# EAGLE board Mk4 Final a Panel score 2x5 (EAGLE 9.0.1), part 13 of 29 (continued)
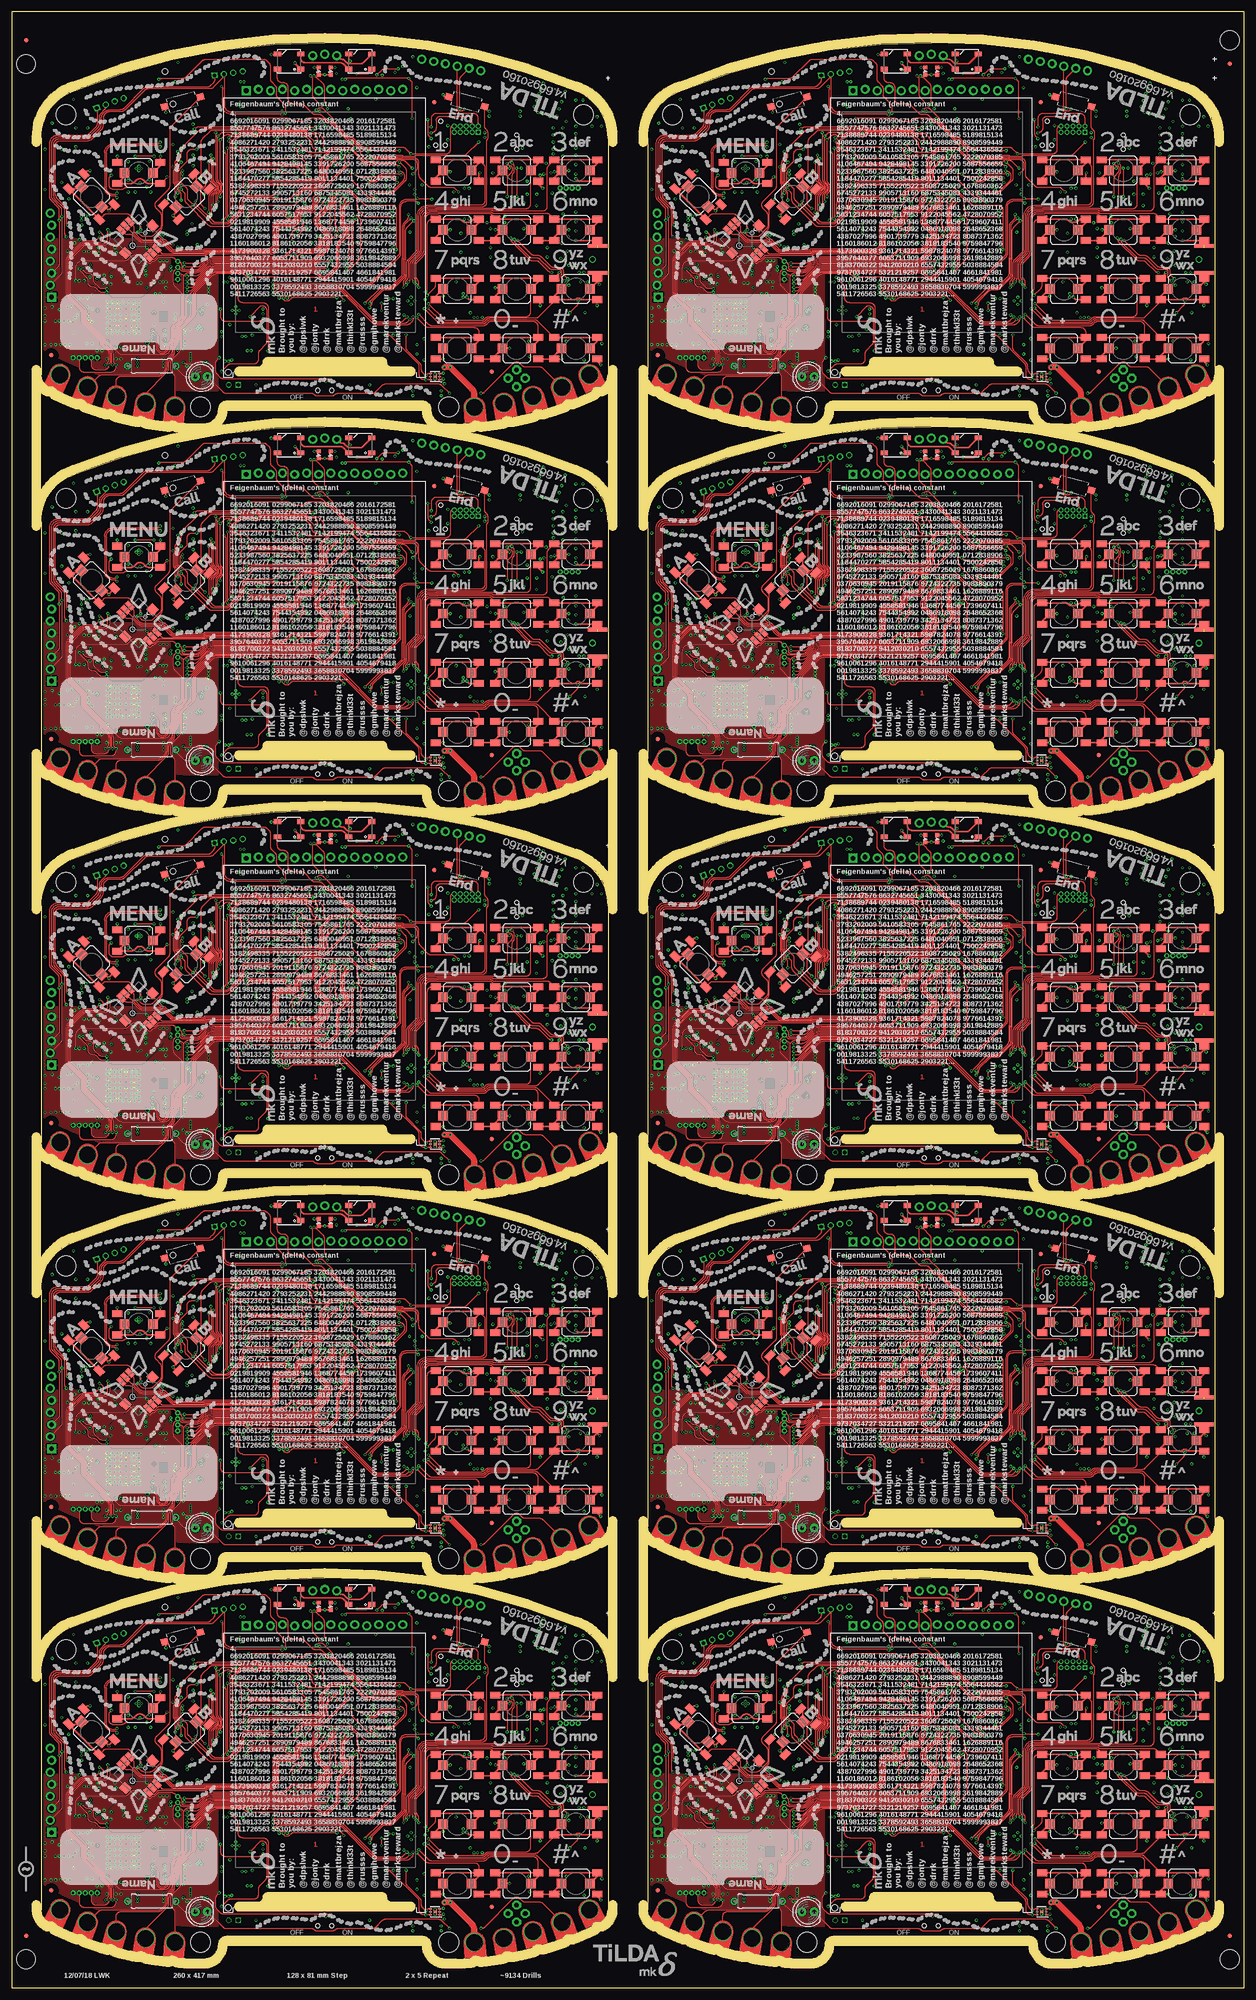
[diagram p0: board, top side]
## Tracks (layer width: path | path; a pad name or v marks a point on that pad's centre or on a via) (continued)
  Bottom 0.2: IC156.5 21.82,372.15 arc45 21.11,371.86 v20.25,371
FLASH_MOSI9  (via drill 0.3)
  Top 0.15: v149.25,342.5 arc-45 149.12,342.8 149.12,344.78 arc45 148.69,345.84 147.5,347.02 arc-45 147.43,347.2 147.43,347.47 arc45 147.35,347.65 143.77,351.23 arc-45 143.4,352.12 143.4,353.33 arc45 142.96,354.39 140.47,356.88 arc-45 140.1,357.77 140.1,364.43 arc-45 140.47,365.32 142.86,367.71 arc-45 143.74,368.07 147.2,368.07 arc90 148.2,369.07 148.2,370.95 v148.25,371
  Bottom 0.15: 149.18,342.57 v149.25,342.5 | JP87.5 140.94,343.56 143.21,341.29 arc45 143.91,341 148.03,341 arc90 149.03,342 149.03,342.21 arc-45 149.18,342.57 | IC173.12 149.75,347.75 arc-45 149.47,347.06 arc45 149.18,346.36 149.18,342.57
  Bottom 0.2: IC174.5 149.82,372.15 arc45 149.11,371.86 v148.25,371
FLASH_PU
  Bottom 0.15: IC14.3 18,46.88 arc45 18.14,46.94 18.17,46.97 arc-45 18.31,47.02 18.51,47.02 arc-45 18.86,46.88 19.84,45.91 arc45 20.54,45.62 IC14.7
  Bottom 0.2: IC14.3 14.63,46.88 R66.2
FLASH_PU1
  Bottom 0.15: IC30.3 146,46.88 arc45 146.14,46.94 146.17,46.97 arc-45 146.31,47.02 146.51,47.02 arc-45 146.86,46.88 147.83,45.91 arc45 148.54,45.62 IC30.7
  Bottom 0.2: IC30.3 142.63,46.88 R144.2
FLASH_PU2
  Bottom 0.15: IC48.3 18,127.89 arc45 18.14,127.94 18.17,127.97 arc-45 18.31,128.03 18.51,128.03 arc-45 18.86,127.88 19.84,126.91 arc45 20.54,126.61 IC48.7
  Bottom 0.2: IC48.3 14.63,127.89 R222.2
FLASH_PU3
  Bottom 0.15: IC66.3 146,127.89 arc45 146.14,127.94 146.17,127.97 arc-45 146.31,128.03 146.51,128.03 arc-45 146.86,127.88 147.83,126.91 arc45 148.54,126.61 IC66.7
  Bottom 0.2: IC66.3 142.63,127.89 R300.2
FLASH_PU4
  Bottom 0.15: IC84.3 18,208.88 arc45 18.14,208.94 18.17,208.97 arc-45 18.31,209.03 18.51,209.03 arc-45 18.86,208.88 19.84,207.91 arc45 20.54,207.62 IC84.7
  Bottom 0.2: IC84.3 14.63,208.88 R378.2
FLASH_PU5
  Bottom 0.15: IC102.3 146,208.88 arc45 146.14,208.94 146.17,208.97 arc-45 146.31,209.03 146.51,209.03 arc-45 146.86,208.88 147.83,207.91 arc45 148.54,207.62 IC102.7
  Bottom 0.2: IC102.3 142.63,208.88 R456.2
FLASH_PU6
  Bottom 0.15: IC120.3 18,289.88 arc45 18.14,289.94 18.17,289.97 arc-45 18.31,290.02 18.51,290.02 arc-45 18.86,289.88 19.84,288.91 arc45 20.54,288.62 IC120.7
  Bottom 0.2: IC120.3 14.63,289.88 R534.2
FLASH_PU7
  Bottom 0.15: IC138.3 146,289.88 arc45 146.14,289.94 146.17,289.97 arc-45 146.31,290.02 146.51,290.02 arc-45 146.86,289.88 147.83,288.91 arc45 148.54,288.62 IC138.7
  Bottom 0.2: IC138.3 142.63,289.88 R612.2
FLASH_PU8
  Bottom 0.15: IC156.3 18,370.88 arc45 18.14,370.94 18.17,370.97 arc-45 18.31,371.02 18.51,371.02 arc-45 18.86,370.88 19.84,369.91 arc45 20.54,369.62 IC156.7
  Bottom 0.2: IC156.3 14.63,370.88 R690.2
FLASH_PU9
  Bottom 0.15: IC174.3 146,370.88 arc45 146.14,370.94 146.17,370.97 arc-45 146.31,371.02 146.51,371.02 arc-45 146.86,370.88 147.83,369.91 arc45 148.54,369.62 IC174.7
  Bottom 0.2: IC174.3 142.63,370.88 R768.2
GMS_ANT_L
  Bottom 0.4: L3.2 C73.2 D2.1 122.25,40.5 J4.ANT J7.1
GMS_ANT_L1
  Bottom 0.4: L13.2 C174.2 D4.1 250.25,40.5 J15.ANT J19.1
GMS_ANT_L2
  Bottom 0.4: L22.2 C282.2 D6.1 122.25,121.5 J25.ANT J29.1
GMS_ANT_L3
  Bottom 0.4: L31.2 C390.2 D8.1 250.25,121.5 J35.ANT J39.1
GMS_ANT_L4
  Bottom 0.4: L40.2 C498.2 D10.1 122.25,202.5 J45.ANT J49.1
GMS_ANT_L5
  Bottom 0.4: L49.2 C606.2 D12.1 250.25,202.5 J55.ANT J59.1
GMS_ANT_L6
  Bottom 0.4: L58.2 C714.2 D14.1 122.25,283.5 J65.ANT J69.1
GMS_ANT_L7
  Bottom 0.4: L67.2 C822.2 D16.1 250.25,283.5 J75.ANT J79.1
GMS_ANT_L8
  Bottom 0.4: L76.2 C930.2 D18.1 122.25,364.5 J85.ANT J89.1
GMS_ANT_L9
  Bottom 0.4: L85.2 C1038.2 D20.1 250.25,364.5 J95.ANT J99.1
GND  (via drill 0.3)  (1 unrouted)
  Top 0.15: IC17.3 90.3,16.65 90.25,16.6 IC17.2 | v89.3,15.5 IC17.PAD v89.3,16.5
  Top 0.2: 90.3,16.65 90.95,16.65 v91.05,16.75
  Top 0.3: S8.1 101.95,32.95 S8.A1 | S7.A1 89.45,32.95 S7.1 v91,33 | S10.A1 89.45,20 89.7,19.75 v91,19.75 S10.1 | S12.1 114.45,20.45 S12.A1 | S9.1 123.55,36.05 S9.A1 | 114.45,57.5 114.45,57.95 S3.1 v117.5,59.5 | 114.45,57.5 S3.A1 | S2.A1 101.95,57.95 S2.1 104,60 v105,60 | S1.A1 89.45,57.95 S1.1 92.25,59.5 v92.5,59.25 | S4.A1 89.45,45.45 S4.1 v92.5,47 | 101.95,45 101.95,45.45 S5.1 v102.05,47 | 101.95,45 S5.A1 | S1.A2 98.55,58.8 v98.75,59 | 114.2,57.25 114.45,57.5 | S6.A2 v119,44.75 | v117.5,47 S6.1 114.45,45.45 S6.A1 S5.A2 | 98.5,32.3 S7.A2 96.5,32.25 v96,32.75 | S8.1 103,35 | S12.A2 123.5,19.75 123.5,19.25 v124.25,18.5 | S11.A2 S12.A1 | v105,22 S11.1 101.95,20.45 S11.A1 S10.A2 | S4.A2 101.7,44.75 101.95,45 | S17.1 91.49,75.01 v91,75.5 | LED3.C v66.03,79.75 LED4.C | LED1.3 55.95,84 v54.75,84 | S3.A2 119.91,57.25 arc-45 119.21,57.54 v119,57.75 | 21.61,52.39 S13.A1 20.5,51.27 v20.5,51 19.62,51.88 S13.1 | S13.A2 15.57,59.21 arc-45 16.28,59.5 v16.5,59.5 | S12.A1 v116,19.75 | S2.A2 111.05,56.7 v112,55.75 | S8.1 103.25,34.75 v102,34.75 | S8.A2 111.5,31.8 v111.5,31 | S14.A2 v22.25,62.5 | S14.1 31.35,60.55 S14.A1 v31.35,62.5 | S16.1 32.5,72.72 v32.5,71.75 | S15.A1 34.81,49.19 v34,50 34.68,50.68 S15.1 | v40.5,54.5 41.61,55.61 S15.A2 | LED2.3 71.05,83.36 arc45 71.34,82.66 v71.4,82.6 | S9.A2 115.5,37.8 v115.5,38 | S9.A1 123.55,35.95 v124,35.5 | S9.A1 123.53,36.77 J7.G@4
  Top 0.4: S6.A2 123.53,44.73 J7.G@3
  GND@3 0.4: v28.45,34.85 25.8,32.2 v25.8,31.85 | v23.5,37.5 22.75,36.75 22.75,32.6 v23.5,31.85 | v21,37.1 21.75,36.35 21.75,32.4 v22.3,31.85
  Bottom 0.15: J2.32 62.75,44.25 | J2.31 63.25,44 | J2.30 63.75,44 | J2.29 64.25,44 | J2.28 64.75,44 | J2.27 65.25,44 | J2.26 65.75,44 | J2.25 66.25,44 | J2.24 66.75,44 | J2.23 67.25,44 | J2.22 67.75,44 | J2.21 68.25,44 | J2.20 68.75,44 | J2.19 69.25,44 | J2.18 69.75,44 | J2.17 70.25,44 | J2.16 70.75,44 | J2.15 71.25,44 | J2.14 71.75,44 | J2.13 72.25,44 | J2.12 72.75,44 | J2.11 73.25,44 | IC1.58 v59.6,62.8 | IC1.55 v59.6,61.6 | IC7.3 81.05,80 v80.85,80.2 | ANT2.3 112.79,77.9 v112.15,77.9 | v111.7,76.75 111.8,76.65 111.94,76.65 111.84,76.75 v111.7,76.75 | ANT2.2 112.05,76.4 v111.7,76.75 | ANT2.4 116.28,76.2 v116.75,76.2 | IC15.PAD v24.1,29.1 | IC15.PAD v22.9,29.1 | IC15.PAD v22.9,27.9 | IC15.PAD v24.1,27.9 | v22.9,30.3 23.5,30.9 v23.5,31.85 | v22.3,31.85 22.3,30.9 v21.7,30.3 21.75,30.35 | v25.3,30.3 25.3,31.35 v25.8,31.85 | v81.5,24.75 C102.2 82,25.5 arc90 82.5,26 82.5,26.5 arc90 82,27 IC16.2 81.46,27 arc45 81.1,26.85 80.9,26.65 arc-45 80.54,26.5 IC16.4 | C104.2 90.45,16.5 | v107.25,72 C54.2 | C57.2 v107.25,71 | C55.2 v100.75,72 | C53.2 v100.75,71 | v24.55,61.4 24.25,61.7 R74.2
  Bottom 0.2: C13.1 68.6,49.85 IC1.10 | IC1.17 65.8,50.01 arc-45 65.65,49.65 C12.1 v65.5,48.75 | IC1.48 57.46,58.8 arc-45 C10.1 | IC1.114 74.74,58.4 arc45 75.44,58.69 C9.1 | IC1.80 65.8,68.05 65.97,68.22 | X4.4 13.88,27.43 13.7,27.6 v12.9,27.6 | X4.2 15.73,23.07 v15.8,23 | IC4.23 81.8,32.75 arc-45 81.66,32.81 81.25,33.22 arc-90 81.25,33.25 | 81.25,33.25 v81.25,33.5 | IC4.24 81.25,33.25 | IC4.18 83,29.25 v82.75,29 | IC4.9 v87.25,32.25 | IC8.17 46.5,27.5 v46,27 IC8.18 | J1.GND4 117,22.05 | 90.45,16.5 arc45 v91.05,16.75 | v31.3,63.5 C106.2 | IC11.4 87.97,63.73 C78.1
  Bottom 0.25: J2.50 53.75,43.45 v54.25,43.95 | J2.49 v54.25,43.95 | J2.48 54.75,43.45 v54.25,43.95 | J2.43 57.25,44 | J2.6 v75.75,41.5 | v68,46.75 68,47.62 C14.1 68.25,48.12 C13.1 | v56,59.1 C10.1 | v76.25,58.75 C9.1 | v66,69 C11.1 65.97,68.22 | C8.1 C16.1 v67,70.45 | v55,63.25 R3.2 | C15.1 65.05,70.25 v65.65,69.65 | v75.5,14.25 S19.1 | v51.5,14.25 S20.1 | C19.1 v62.7,69 | C18.1 v58.1,69 | v71.5,70.45 C17.1 | R71.2 v25.25,21.75 | v27.35,59.95 IC13.PAD v26.8,59.5 | C46.2 38.88,21.23 | v85.45,77 C5.1 | v68.5,80 C3.1
  Bottom 0.3: 77.45,80.3 v78.15,79.6 | v32,33 R70.2 | v14.25,36.25 C60.1 | v16.5,37 16.62,36.88 C86.2 | v96.5,49.25 C69.2 | v95.5,49.25 C66.2 | v96.5,55.75 C65.2 | C67.2 v95.5,55.75 | IC5.8 100.1,48.65 v100.25,48.5 | R40.2 v94.75,46.25 | R38.2 v94.75,40.25 | R39.2 v94.75,42.25 | IC5.13 102.1,54.65 v102.25,54.5 | IC5.21 110.9,54.65 v110.75,54.5 | Q1.2 94.65,36.15 R30.2 v93.75,36 | C78.1 v88,64.5 | v92,66 91.91,66.09 JP4.5 | C71.1 v99.75,67.5 | IC12.7 93.19,55.81 R55.1 v93.25,55 | v101.5,59 C50.1 | v105,60 104.5,59.5 C49.1 | C48.1 v107.5,60 | J1.GND3 111.21,32.06 arc-45 111.5,31.36 v111.5,31 | 123.38,34.5 J1.GND2 123.5,34.59 arc-45 123.79,35.29 v124,35.5 | 124.17,32 J1.C4 123.79,31.74 arc45 123.5,31.04 v123.5,31 | v124.5,23 124.38,23 J1.GND1 | v109.25,20.25 R59.2 110.92,20.25 Q2.2 | C51.1 v120.75,19.5 | J1.C5 116.85,23.65 v117,23.5 117,22.05 | v109,23.5 109.23,23.27 110.25,23.27 J1.GND6 | C2.1 v76.25,53 | C7.1 v79,56.25 | C6.1 v79,57.5 | Q8.4 Q8.EP2 | C28.1 v51.5,48.25 | IC2.28 37.07,48.25 v38,48.25 | C24.1 v34,60.25 | IC2.46 38.2,62.7 v38.25,62.75 | C27.1 v34,65 | IC2.54 37.89,69.1 arc45 v38.25,69.25 | IC2.52 v38.25,67.5 | C26.1 v50.75,69.75 | C22.1 v51.5,67.5 | IC2.6 47.4,65.1 v47.25,65.25 | C23.1 v51.5,62.75 | C25.1 v51.5,58.75 | R15.1 v53,29.25 | R17.2 v53,30.25 | R19.2 48.15,35.5 arc45 v48.75,35.75 | v32,46 C42.1 | v32.75,46 32.75,45.5 C42.1 | v31.25,46 31.25,45.5 C42.1 | IC2.12 47.3,60.3 v47.25,60.25 | R63.2 v15.25,42.45 | R64.2 v16.25,42.45 | R51.2 v85,54.5 | v26.05,54.95 C58.2 | v108.75,54.5 108.7,54.55 IC5.19 108.7,57.2 v108.75,57.25 | R61.2 35.95,21.5 v36.2,21.75 | IC4.25 v83.5,32 | v66.6,72.55 66.67,72.55 X2.4 | X2.2 70.83,72.55 v70.95,72.55 | v82.5,81.5 C20.1 | v84.6,83.5 R7.2
  Bottom 0.3: C4.1 v76.75,74.5 | C70.1 v83.9,56.45 | J10.8 J10.4 | J8.8 J8.4 | IC2.41 36.05,58.7 v36,58.75 | J1.GND5 117.11,34.91 v117.5,35.3 116.94,35.3 arc-45 116.23,35.59 IC10.3 | IC5.33 113.3,40.95 v113,41.25 | v117.45,45.6 C72.1 | v116.7,40.5 D2.2 | v116.7,41.5 C73.1 | v11.75,30.75 C76.1 | v8.5,30.75 C77.1 | 32.55,36.8 C87.2 31.95,36.8 | IC3.2 v90.6,13 | C107.2 v84.6,12 | IC3.3 v90.6,12 | v113,43.25 113.1,43.15 IC5.31
  Bottom 0.35: v32.55,36 32.55,36.8 | v31.95,36 31.95,36.8
  Bottom 0.4: C89.2 28.1,34.5 v28.45,34.85 | v31.25,33.5 C61.2 | v32,31.75 C95.2 | C84.2 28.12,39.62 v28.25,39.5 | C84.2 v27.25,40.75 | v26,40.75 C85.2 C84.2 | C90.2 22.9,36.9 v23.5,37.5 23.4,37.4 | C88.2 v21,37.1 | v19.5,37.4 20.1,36.8 C44.2 | v34.5,28.25 C100.1 | v34.5,29.25 C101.1 | v32.25,24.75 C96.2 | C92.2 v30,27 | C59.1 v21.75,43.25 | C98.1 v16.95,27.5 | C94.2 v16.25,28.25 | C62.2 v16.25,29.25 | C99.1 v16.95,23 | R62.2 v18,21.5 | R65.2 v19,21.5 | R72.2 v20,19.75 | C97.2 v23,19.75 | C91.2 v22,19.75 | v32.5,34.75 C93.2 31.4,35.64 arc45 v31.25,36 | IC14.4 15.12,48.16 arc45 v14.75,48 | v32.25,22.75 R25.2 | v79.5,32.5 C21.1 | v44.25,24.5 44.85,24.5 C40.2 44.85,25.5 v44.25,25.5 | S18.2 65.4,15 v66.25,15 | Q8.EP2 80.4,43.35 v80.5,43.25 | v80.5,47.25 v80.5,47.24 IC6.4 | 42.75,34.75 C41.2 42.38,34.25 v41.5,34.25 | 42.62,35 v41.5,35 | C36.2 41.6,33.4 v41.5,33.5 | v41.25,31.25 41.25,30.32 C39.1 | 7,27.6 v7,27.75 ANT1.4 | ANT1.3 v7,22.75 | ANT1.2 8.25,23.7 v8.25,22.75 | C43.1 v32,19 | C43.1 31.5,19.75 v32,19.75 | C43.1 31.5,18.25 v32,18.25 | J9.4 34.94,77.81 v34.5,78.25 | C1.2 59.88,80.62 v59.75,80.75 | IC18.3 93.26,14.15 arc-45 92.56,14.44 C108.2 91.68,14.68 arc-45 v91.25,14.5 | TP17.TP 37.75,26.1 v37.6,25.95
  Bottom 0.5: v18.35,42.05 18.35,41.5 C63.2 17.35,41.5 v17.35,42.05
  Bottom 1: J5.1 87.05,20.8 C34.2 | C34.2 85.6,20.85 v85.5,20.75 | C34.2 v87,19.5 | v52.35,26 C35.2 50.65,24.85 v50.75,24.75
  other vias: 63.25,44.25 72.75,44.25 56.9,47.15 26.8,60.4 26.25,59.95 116.7,54.1 116.35,50.35 116,74 115.5,72.5 115,71 113.5,71 112,71.5 111,71.75 110.25,73 110.75,74.25 111.25,75.75 21.7,29.1 21.7,27.9 21.7,26.7 22.9,26.7 24.1,26.7 25.3,26.7 25.3,27.9 25.3,29.1 24.1,30.3 17,33.25 17,30.35 13,25.2 12.25,22.75 11.25,22.75 10.25,22.75 9.25,22.75 12,27.75 11,27.75 10,27.75 9.2,27.75 85,32 84.25,32.75 84.25,31.25 95.25,33.5 95.25,32.75 120,36 119,46.75 119,48.65 119,50.75 119,52.75 119,58.75 119,60.75 119,62.75 119,67.25 119,68.85 122.4,68.85 124.4,68.85 47.25,30 48,30 47.25,30.75 47.25,29.25 46.5,30 29.3,54.95 24.55,54.95 24.55,57.45 29.05,57.55 29.05,61.45 37.7,20.85 37.7,20.35 37.7,19.35 37.7,19.85 36.9,18.25 37.6,18.25 36.6,25.95 36.5,24.95 36.5,22.75 36.5,23.55 20.75,29.1 20.75,27.9 20.75,26.7 20.75,30.3 26.25,29.1 26.25,27.9 26.25,26.7 26.25,30.3 21.7,25.75 22.9,25.75 24.1,25.75 25.3,25.75 21.7,31.25 22.9,31.25 24.1,31.25 25.3,31.25 26.25,25.75 26.25,31.25 20.75,31.25 20.75,25.75 24.7,31.85 21.2,31.85 20.15,31.85 20.15,30.8 23.5,25.15 24.7,25.15 25.9,25.15 22.3,25.15 21.2,25.15 26.85,28.45 26.85,27.25 26.85,26.05 26.85,29.65 20.15,28.5 20.15,27.3 20.15,26.2 20.15,29.7 26.85,30.75 26.85,31.85 26.85,25.15 20.15,25.15 120.7,38 119.7,38 121.5,36 116,44.2 10.5,64 10.5,57 13.5,64.5 13.5,68.5 16,68.5 13,74.5 8.5,69.5 7,64 7,55.5 12,53.5 13.25,44.25 7,30.5 104,41.25 101,41.25 101,43.25 101,47.25 108,47.25 110.7,52.1 108,52.75 114,54.75 117.5,39.5 117.25,42.5 119,64.25 119,65.75 117,69.85 119,74.35 123.5,70.85 120.5,74.35 115.85,40.95 119,39.5 12.6,30.95 13.35,28.45 13.85,28.95 16,30.7 15,32.7 16,32.7 14.1,32.6 116.25,68.5 114.25,68.5 116.25,67 114.25,67 116.25,65.5 114.25,65.5 116.25,64 114.25,64 116.25,62.5 114.25,63 112.75,61 112.25,58.75 111.5,58.5 113.75,59 114.5,59.25 116,61 11.75,42.5 10,30.15 7,28.85 104,52.25 104,48.5 104,49.9
  pour GND@3 (isolate 0.254, rank 6): 6.2,68.5 6.2,15 arc31 38,6 40.7,6 arc90 43.5,8.8 arc-90 45.5,10.8 86.5,10.8 arc-90 88.5,8.8 arc90 91.3,6 94,6 arc31 125.8,15 125.8,38.5 119.5,38.5 119.5,68.5 125.8,68.5 arc64 119.25,76.25 arc24 66,86.5 arc24 12.75,76.25 arc55
  pour Bottom (rank 6): 73.25,42.9 73.25,44.25 73,44.5 63,44.5 62.75,44.25 62.75,42.9
  pour Bottom (isolate 0.254, rank 6): 6.2,68.5 6.2,22 arc9 17,17 17,29 19,29 19,35 17,35 17,37 arc90 16,38 15,38 arc-90 14,39 14,59.71 arc-90 26.79,72.5 34.5,72.5 38,76 96.5,75.5 arc-90 99,73 99,38.5 110.09,38.5 arc-45 110.79,38.21 113.21,35.79 arc45 113.91,35.5 125.8,35.5 125.8,38.5 119.5,38.5 119.5,68.5 125.8,68.5 arc64 119.25,76.25 arc24 66,86.5 arc24 12.75,76.25 arc55
  pour Bottom (rank 2, no thermals): 107.5,39 109,39 109,36.5 108.41,36.5 arc45 107.71,36.21 107.29,35.79 arc45 107,35.09 107,33 arc-90 106,32 95.5,32 arc-90 94.5,33 arc-90 95.5,34 103.75,34 arc90 104.75,35 104.75,35.09 arc-45 105.04,35.79 105.71,36.46 arc-45 106.41,36.75 106.59,36.75 arc45 107.29,37.04 107.5,37.25
  pour Bottom (no thermals): 57.5,45.5 57.5,44.2 57.3,44 57.2,44 57,44.2 57,45.25 56.5,45.75 56.5,47.3 56.7,47.5 57.05,47.5 57.25,47.3 57.25,45.75
  pour Bottom: 29.55,54.95 29.55,60.95 arc90 28.55,61.95 25.05,61.95 arc90 24.05,60.95 24.05,54.95 arc90 25.05,53.95 28.55,53.95 arc90
  pour Bottom (no thermals): 43.4,33 43.4,34.1 43.2,34.3 43.2,35.05 43,35.25 41.75,35.25 41.25,34.75 41.25,33.25 41.5,33
  pour Bottom (no thermals): 37.9,20.8 37.9,18.3 arc-90 37.4,17.8 36.45,17.8 arc-90 35.95,18.3 35.95,25.65 arc-90 36.45,26.15 37.55,26.15 arc-90 38.05,25.65 38.05,22.1 arc90 38.55,21.6 39.8,21.6 39.85,21.55 39.85,20.9 39.75,20.8
  pour Top (rank 6): 6.2,45 6.2,22 arc34 43,13 43.5,13 43.5,45
GND1  (via drill 0.3)  (1 unrouted)
  Top 0.15: IC34.3 218.3,16.65 218.25,16.6 IC34.2 | v217.3,15.5 IC34.PAD v217.3,16.5
  Top 0.2: 218.3,16.65 218.95,16.65 v219.05,16.75
  Top 0.3: S28.1 229.95,32.95 S28.A1 | S24.A1 217.45,32.95 S24.1 v219,33 | S25.A1 217.45,20 217.7,19.75 v219,19.75 S25.1 | S33.1 242.45,20.45 S33.A1 | S32.1 251.55,36.05 S32.A1 | 242.45,57.5 242.45,57.95 S30.1 v245.5,59.5 | 242.45,57.5 S30.A1 | S26.A1 229.95,57.95 S26.1 232,60 v233,60 | S21.A1 217.45,57.95 S21.1 220.25,59.5 v220.5,59.25 | S23.A1 217.45,45.45 S23.1 v220.5,47 | 229.95,45 229.95,45.45 S27.1 v230.05,47 | 229.95,45 S27.A1 | S21.A2 226.55,58.8 v226.75,59 | 242.2,57.25 242.45,57.5 | S31.A2 v247,44.75 | v245.5,47 S31.1 242.45,45.45 S31.A1 S27.A2 | 226.5,32.3 S24.A2 224.5,32.25 v224,32.75 | S28.1 231,35 | S33.A2 251.5,19.75 251.5,19.25 v252.25,18.5 | S29.A2 S33.A1 | v233,22 S29.1 229.95,20.45 S29.A1 S25.A2 | S23.A2 229.7,44.75 229.95,45 | S38.1 219.49,75.01 v219,75.5 | LED9.C v194.03,79.75 LED10.C | LED7.3 183.95,84 v182.75,84 | S30.A2 247.91,57.25 arc-45 247.21,57.54 v247,57.75 | 149.61,52.39 S35.A1 148.5,51.27 v148.5,51 147.62,51.88 S35.1 | S35.A2 143.57,59.21 arc-45 144.28,59.5 v144.5,59.5 | S33.A1 v244,19.75 | S26.A2 239.05,56.7 v240,55.75 | S28.1 231.25,34.75 v230,34.75 | S28.A2 239.5,31.8 v239.5,31 | S36.A2 v150.25,62.5 | S36.1 159.35,60.55 S36.A1 v159.35,62.5 | S37.1 160.5,72.72 v160.5,71.75 | S34.A1 162.81,49.19 v162,50 162.68,50.68 S34.1 | v168.5,54.5 169.61,55.61 S34.A2 | LED8.3 199.05,83.36 arc45 199.34,82.66 v199.4,82.6 | S32.A2 243.5,37.8 v243.5,38 | S32.A1 251.55,35.95 v252,35.5 | S32.A1 251.53,36.77 J19.G@4
  Top 0.4: S31.A2 251.53,44.73 J19.G@3
  GND@3 0.4: v156.45,34.85 153.8,32.2 v153.8,31.85 | v151.5,37.5 150.75,36.75 150.75,32.6 v151.5,31.85 | v149,37.1 149.75,36.35 149.75,32.4 v150.3,31.85
  Bottom 0.15: J6.32 190.75,44.25 | J6.31 191.25,44 | J6.30 191.75,44 | J6.29 192.25,44 | J6.28 192.75,44 | J6.27 193.25,44 | J6.26 193.75,44 | J6.25 194.25,44 | J6.24 194.75,44 | J6.23 195.25,44 | J6.22 195.75,44 | J6.21 196.25,44 | J6.20 196.75,44 | J6.19 197.25,44 | J6.18 197.75,44 | J6.17 198.25,44 | J6.16 198.75,44 | J6.15 199.25,44 | J6.14 199.75,44 | J6.13 200.25,44 | J6.12 200.75,44 | J6.11 201.25,44 | IC20.58 v187.6,62.8 | IC20.55 v187.6,61.6 | IC23.3 209.05,80 v208.85,80.2 | ANT4.3 240.79,77.9 v240.15,77.9 | v239.7,76.75 239.8,76.65 239.94,76.65 239.84,76.75 v239.7,76.75 | ANT4.2 240.05,76.4 v239.7,76.75 | ANT4.4 244.28,76.2 v244.75,76.2 | IC29.PAD v152.1,29.1 | IC29.PAD v150.9,29.1 | IC29.PAD v150.9,27.9 | IC29.PAD v152.1,27.9 | v150.9,30.3 151.5,30.9 v151.5,31.85 | v150.3,31.85 150.3,30.9 v149.7,30.3 149.75,30.35 | v153.3,30.3 153.3,31.35 v153.8,31.85 | v209.5,24.75 C210.2 210,25.5 arc90 210.5,26 210.5,26.5 arc90 210,27 IC32.2 209.46,27 arc45 209.1,26.85 208.9,26.65 arc-45 208.54,26.5 IC32.4 | C212.2 218.45,16.5 | v235.25,72 C161.2 | C164.2 v235.25,71 | C162.2 v228.75,72 | C160.2 v228.75,71 | v152.55,61.4 152.25,61.7 R155.2
  Bottom 0.2: C123.1 196.6,49.85 IC20.10 | IC20.17 193.8,50.01 arc-45 193.65,49.65 C122.1 v193.5,48.75 | IC20.48 185.46,58.8 arc-45 C120.1 | IC20.114 202.74,58.4 arc45 203.44,58.69 C119.1 | IC20.80 193.8,68.05 193.97,68.22 | X8.4 141.88,27.43 141.7,27.6 v140.9,27.6 | X8.2 143.72,23.07 v143.8,23 | IC31.23 209.8,32.75 arc-45 209.66,32.81 209.25,33.22 arc-90 209.25,33.25 | 209.25,33.25 v209.25,33.5 | IC31.24 209.25,33.25 | IC31.18 211,29.25 v210.75,29 | IC31.9 v215.25,32.25 | IC24.17 174.5,27.5 v174,27 IC24.18 | J14.GND4 245,22.05 | 218.45,16.5 arc45 v219.05,16.75 | v159.3,63.5 C214.2 | IC26.4 215.97,63.73 C179.1
  Bottom 0.25: J6.50 181.75,43.45 v182.25,43.95 | J6.49 v182.25,43.95 | J6.48 182.75,43.45 v182.25,43.95 | J6.43 185.25,44 | J6.6 v203.75,41.5 | v196,46.75 196,47.62 C124.1 196.25,48.12 C123.1 | v184,59.1 C120.1 | v204.25,58.75 C119.1 | v194,69 C121.1 193.97,68.22 | C118.1 C126.1 v195,70.45 | v183,63.25 R87.2 | C125.1 193.05,70.25 v193.65,69.65 | v203.5,14.25 S40.1 | v179.5,14.25 S41.1 | C129.1 v190.7,69 | C128.1 v186.1,69 | v199.5,70.45 C127.1 | R149.2 v153.25,21.75 | v155.35,59.95 IC28.PAD v154.8,59.5 | C144.2 166.88,21.23 | v213.45,77 C115.1 | v196.5,80 C113.1
  Bottom 0.3: 205.45,80.3 v206.15,79.6 | v160,33 R148.2 | v142.25,36.25 C187.1 | v144.5,37 144.62,36.88 C192.2 | v224.5,49.25 C170.2 | v223.5,49.25 C167.2 | v224.5,55.75 C166.2 | C168.2 v223.5,55.75 | IC21.8 228.1,48.65 v228.25,48.5 | R122.2 v222.75,46.25 | R114.2 v222.75,40.25 | R121.2 v222.75,42.25 | IC21.13 230.1,54.65 v230.25,54.5 | IC21.21 238.9,54.65 v238.75,54.5 | Q6.2 222.65,36.15 R112.2 v221.75,36 | C179.1 v216,64.5 | v220,66 219.91,66.09 JP10.5 | C172.1 v227.75,67.5 | IC27.7 221.19,55.81 R133.1 v221.25,55 | v229.5,59 C157.1 | v233,60 232.5,59.5 C156.1 | C155.1 v235.5,60 | J14.GND3 239.21,32.06 arc-45 239.5,31.36 v239.5,31 | 251.38,34.5 J14.GND2 251.5,34.59 arc-45 251.79,35.29 v252,35.5 | 252.17,32 J14.C4 251.79,31.74 arc45 251.5,31.04 v251.5,31 | v252.5,23 252.38,23 J14.GND1 | v237.25,20.25 R137.2 238.93,20.25 Q5.2 | C158.1 v248.75,19.5 | J14.C5 244.85,23.65 v245,23.5 245,22.05 | v237,23.5 237.23,23.27 238.25,23.27 J14.GND6 | C112.1 v204.25,53 | C117.1 v207,56.25 | C116.1 v207,57.5 | Q4.4 Q4.EP2 | C138.1 v179.5,48.25 | IC19.28 165.07,48.25 v166,48.25 | C134.1 v162,60.25 | IC19.46 166.2,62.7 v166.25,62.75 | C137.1 v162,65 | IC19.54 165.89,69.1 arc45 v166.25,69.25 | IC19.52 v166.25,67.5 | C136.1 v178.75,69.75 | C132.1 v179.5,67.5 | IC19.6 175.4,65.1 v175.25,65.25 | C133.1 v179.5,62.75 | C135.1 v179.5,58.75 | R97.1 v181,29.25 | R99.2 v181,30.25 | R101.2 176.15,35.5 arc45 v176.75,35.75 | v160,46 C153.1 | v160.75,46 160.75,45.5 C153.1 | v159.25,46 159.25,45.5 C153.1 | IC19.12 175.3,60.3 v175.25,60.25 | R141.2 v143.25,42.45 | R142.2 v144.25,42.45 | R129.2 v213,54.5 | v154.05,54.95 C185.2 | v236.75,54.5 236.7,54.55 IC21.19 236.7,57.2 v236.75,57.25 | R139.2 163.95,21.5 v164.2,21.75
  Bottom 0.3: IC31.25 v211.5,32 | v194.6,72.55 194.68,72.55 X6.4 | X6.2 198.82,72.55 v198.95,72.55 | v210.5,81.5 C130.1 | v212.6,83.5 R91.2 | C114.1 v204.75,74.5 | C171.1 v211.9,56.45 | J16.8 J16.4 | J18.8 J18.4 | IC19.41 164.05,58.7 v164,58.75 | J14.GND5 245.11,34.91 v245.5,35.3 244.94,35.3 arc-45 244.23,35.59 IC25.3 | IC21.33 241.3,40.95 v241,41.25 | v245.45,45.6 C173.1 | v244.7,40.5 D4.2 | v244.7,41.5 C174.1 | v139.75,30.75 C177.1 | v136.5,30.75 C178.1 | 160.55,36.8 C195.2 159.95,36.8 | IC35.2 v218.6,13 | C215.2 v212.6,12 | IC35.3 v218.6,12 | v241,43.25 241.1,43.15 IC21.31
  Bottom 0.35: v160.55,36 160.55,36.8 | v159.95,36 159.95,36.8
  Bottom 0.4: C197.2 156.1,34.5 v156.45,34.85 | v159.25,33.5 C191.2 | v160,31.75 C203.2 | C193.2 156.12,39.62 v156.25,39.5 | C193.2 v155.25,40.75 | v154,40.75 C194.2 C193.2 | C198.2 150.9,36.9 v151.5,37.5 151.4,37.4 | C196.2 v149,37.1 | v147.5,37.4 148.1,36.8 C190.2 | v162.5,28.25 C208.1 | v162.5,29.25 C209.1 | v160.25,24.75 C204.2 | C200.2 v158,27 | C186.1 v149.75,43.25 | C206.1 v144.95,27.5 | C202.2 v144.25,28.25 | C188.2 v144.25,29.25 | C207.1 v144.95,23 | R140.2 v146,21.5 | R143.2 v147,21.5 | R150.2 v148,19.75 | C205.2 v151,19.75 | C199.2 v150,19.75 | v160.5,34.75 C201.2 159.4,35.64 arc45 v159.25,36 | IC30.4 143.12,48.16 arc45 v142.75,48 | v160.25,22.75 R107.2 | v207.5,32.5 C131.1 | v172.25,24.5 172.85,24.5 C151.2 172.85,25.5 v172.25,25.5 | S39.2 193.4,15 v194.25,15 | Q4.EP2 208.4,43.35 v208.5,43.25 | v208.5,47.25 v208.5,47.24 IC22.4 | 170.75,34.75 C152.2 170.38,34.25 v169.5,34.25 | 170.62,35 v169.5,35 | C148.2 169.6,33.4 v169.5,33.5 | v169.25,31.25 169.25,30.32 C149.1 | 135,27.6 v135,27.75 ANT3.4 | ANT3.3 v135,22.75 | ANT3.2 136.25,23.7 v136.25,22.75 | C154.1 v160,19 | C154.1 159.5,19.75 v160,19.75 | C154.1 159.5,18.25 v160,18.25 | J17.4 162.94,77.81 v162.5,78.25 | C111.2 187.88,80.62 v187.75,80.75 | IC36.3 221.26,14.15 arc-45 220.56,14.44 C216.2 219.68,14.68 arc-45 v219.25,14.5 | TP36.TP 165.75,26.1 v165.6,25.95
  Bottom 0.5: v146.35,42.05 146.35,41.5 C189.2 145.35,41.5 v145.35,42.05
  Bottom 1: J12.1 215.05,20.8 C146.2 | C146.2 213.6,20.85 v213.5,20.75 | C146.2 v215,19.5 | v180.35,26 C147.2 178.65,24.85 v178.75,24.75
  other vias: 191.25,44.25 200.75,44.25 184.9,47.15 154.8,60.4 154.25,59.95 244.7,54.1 244.35,50.35 244,74 243.5,72.5 243,71 241.5,71 240,71.5 239,71.75 238.25,73 238.75,74.25 239.25,75.75 149.7,29.1 149.7,27.9 149.7,26.7 150.9,26.7 152.1,26.7 153.3,26.7 153.3,27.9 153.3,29.1 152.1,30.3 145,33.25 145,30.35 141,25.2 140.25,22.75 139.25,22.75 138.25,22.75 137.25,22.75 140,27.75 139,27.75 138,27.75 137.2,27.75 213,32 212.25,32.75 212.25,31.25 223.25,33.5 223.25,32.75 248,36 247,46.75 247,48.65 247,50.75 247,52.75 247,58.75 247,60.75 247,62.75 247,67.25 247,68.85 250.4,68.85 252.4,68.85 175.25,30 176,30 175.25,30.75 175.25,29.25 174.5,30 157.3,54.95 152.55,54.95 152.55,57.45 157.05,57.55 157.05,61.45 165.7,20.85 165.7,20.35 165.7,19.35 165.7,19.85 164.9,18.25 165.6,18.25 164.6,25.95 164.5,24.95 164.5,22.75 164.5,23.55 148.75,29.1 148.75,27.9 148.75,26.7 148.75,30.3 154.25,29.1 154.25,27.9 154.25,26.7 154.25,30.3 149.7,25.75 150.9,25.75 152.1,25.75 153.3,25.75 149.7,31.25 150.9,31.25 152.1,31.25 153.3,31.25 154.25,25.75 154.25,31.25 148.75,31.25 148.75,25.75 152.7,31.85 149.2,31.85 148.15,31.85 148.15,30.8 151.5,25.15 152.7,25.15 153.9,25.15 150.3,25.15 149.2,25.15 154.85,28.45 154.85,27.25 154.85,26.05 154.85,29.65 148.15,28.5 148.15,27.3 148.15,26.2 148.15,29.7 154.85,30.75 154.85,31.85 154.85,25.15 148.15,25.15 248.7,38 247.7,38 249.5,36 244,44.2 138.5,64 138.5,57 141.5,64.5 141.5,68.5 144,68.5 141,74.5 136.5,69.5 135,64 135,55.5 140,53.5 141.25,44.25 135,30.5 232,41.25 229,41.25 229,43.25 229,47.25 236,47.25 238.7,52.1 236,52.75 242,54.75 245.5,39.5 245.25,42.5 247,64.25 247,65.75 245,69.85 247,74.35 251.5,70.85 248.5,74.35 243.85,40.95 247,39.5 140.6,30.95 141.35,28.45 141.85,28.95 144,30.7 143,32.7 144,32.7 142.1,32.6 244.25,68.5 242.25,68.5 244.25,67 242.25,67 244.25,65.5 242.25,65.5 244.25,64 242.25,64 244.25,62.5 242.25,63 240.75,61 240.25,58.75 239.5,58.5 241.75,59 242.5,59.25 244,61 139.75,42.5 138,30.15 135,28.85 232,52.25 232,48.5 232,49.9